# Altium PCB KlusterLab r2.0.PcbDoc (part 9 of 22)
Units mm, origin at the board's own origin, x right, y up, seen from the top; angles counter-clockwise.
Board outline 232 x 250 mm, 12 copper layers (L1 Top, L2 Inner1 (GND), L3 Inner2 (Sig), L4 Inner3 (GND), L5 Inner4 (PWR), L6 Inner5 (PWR), L7 Inner6 (PWR), L8 Inner7 (PWR), L9 Inner8 (GND), L10 Inner9 (Sig), L11 Inner10 (GND), L12 Bottom), stack 1.614 mm thick; 1169 components, 852 nets, 4679 pads, 5115 vias.
Unrouted connection lines stored in the file: 1.
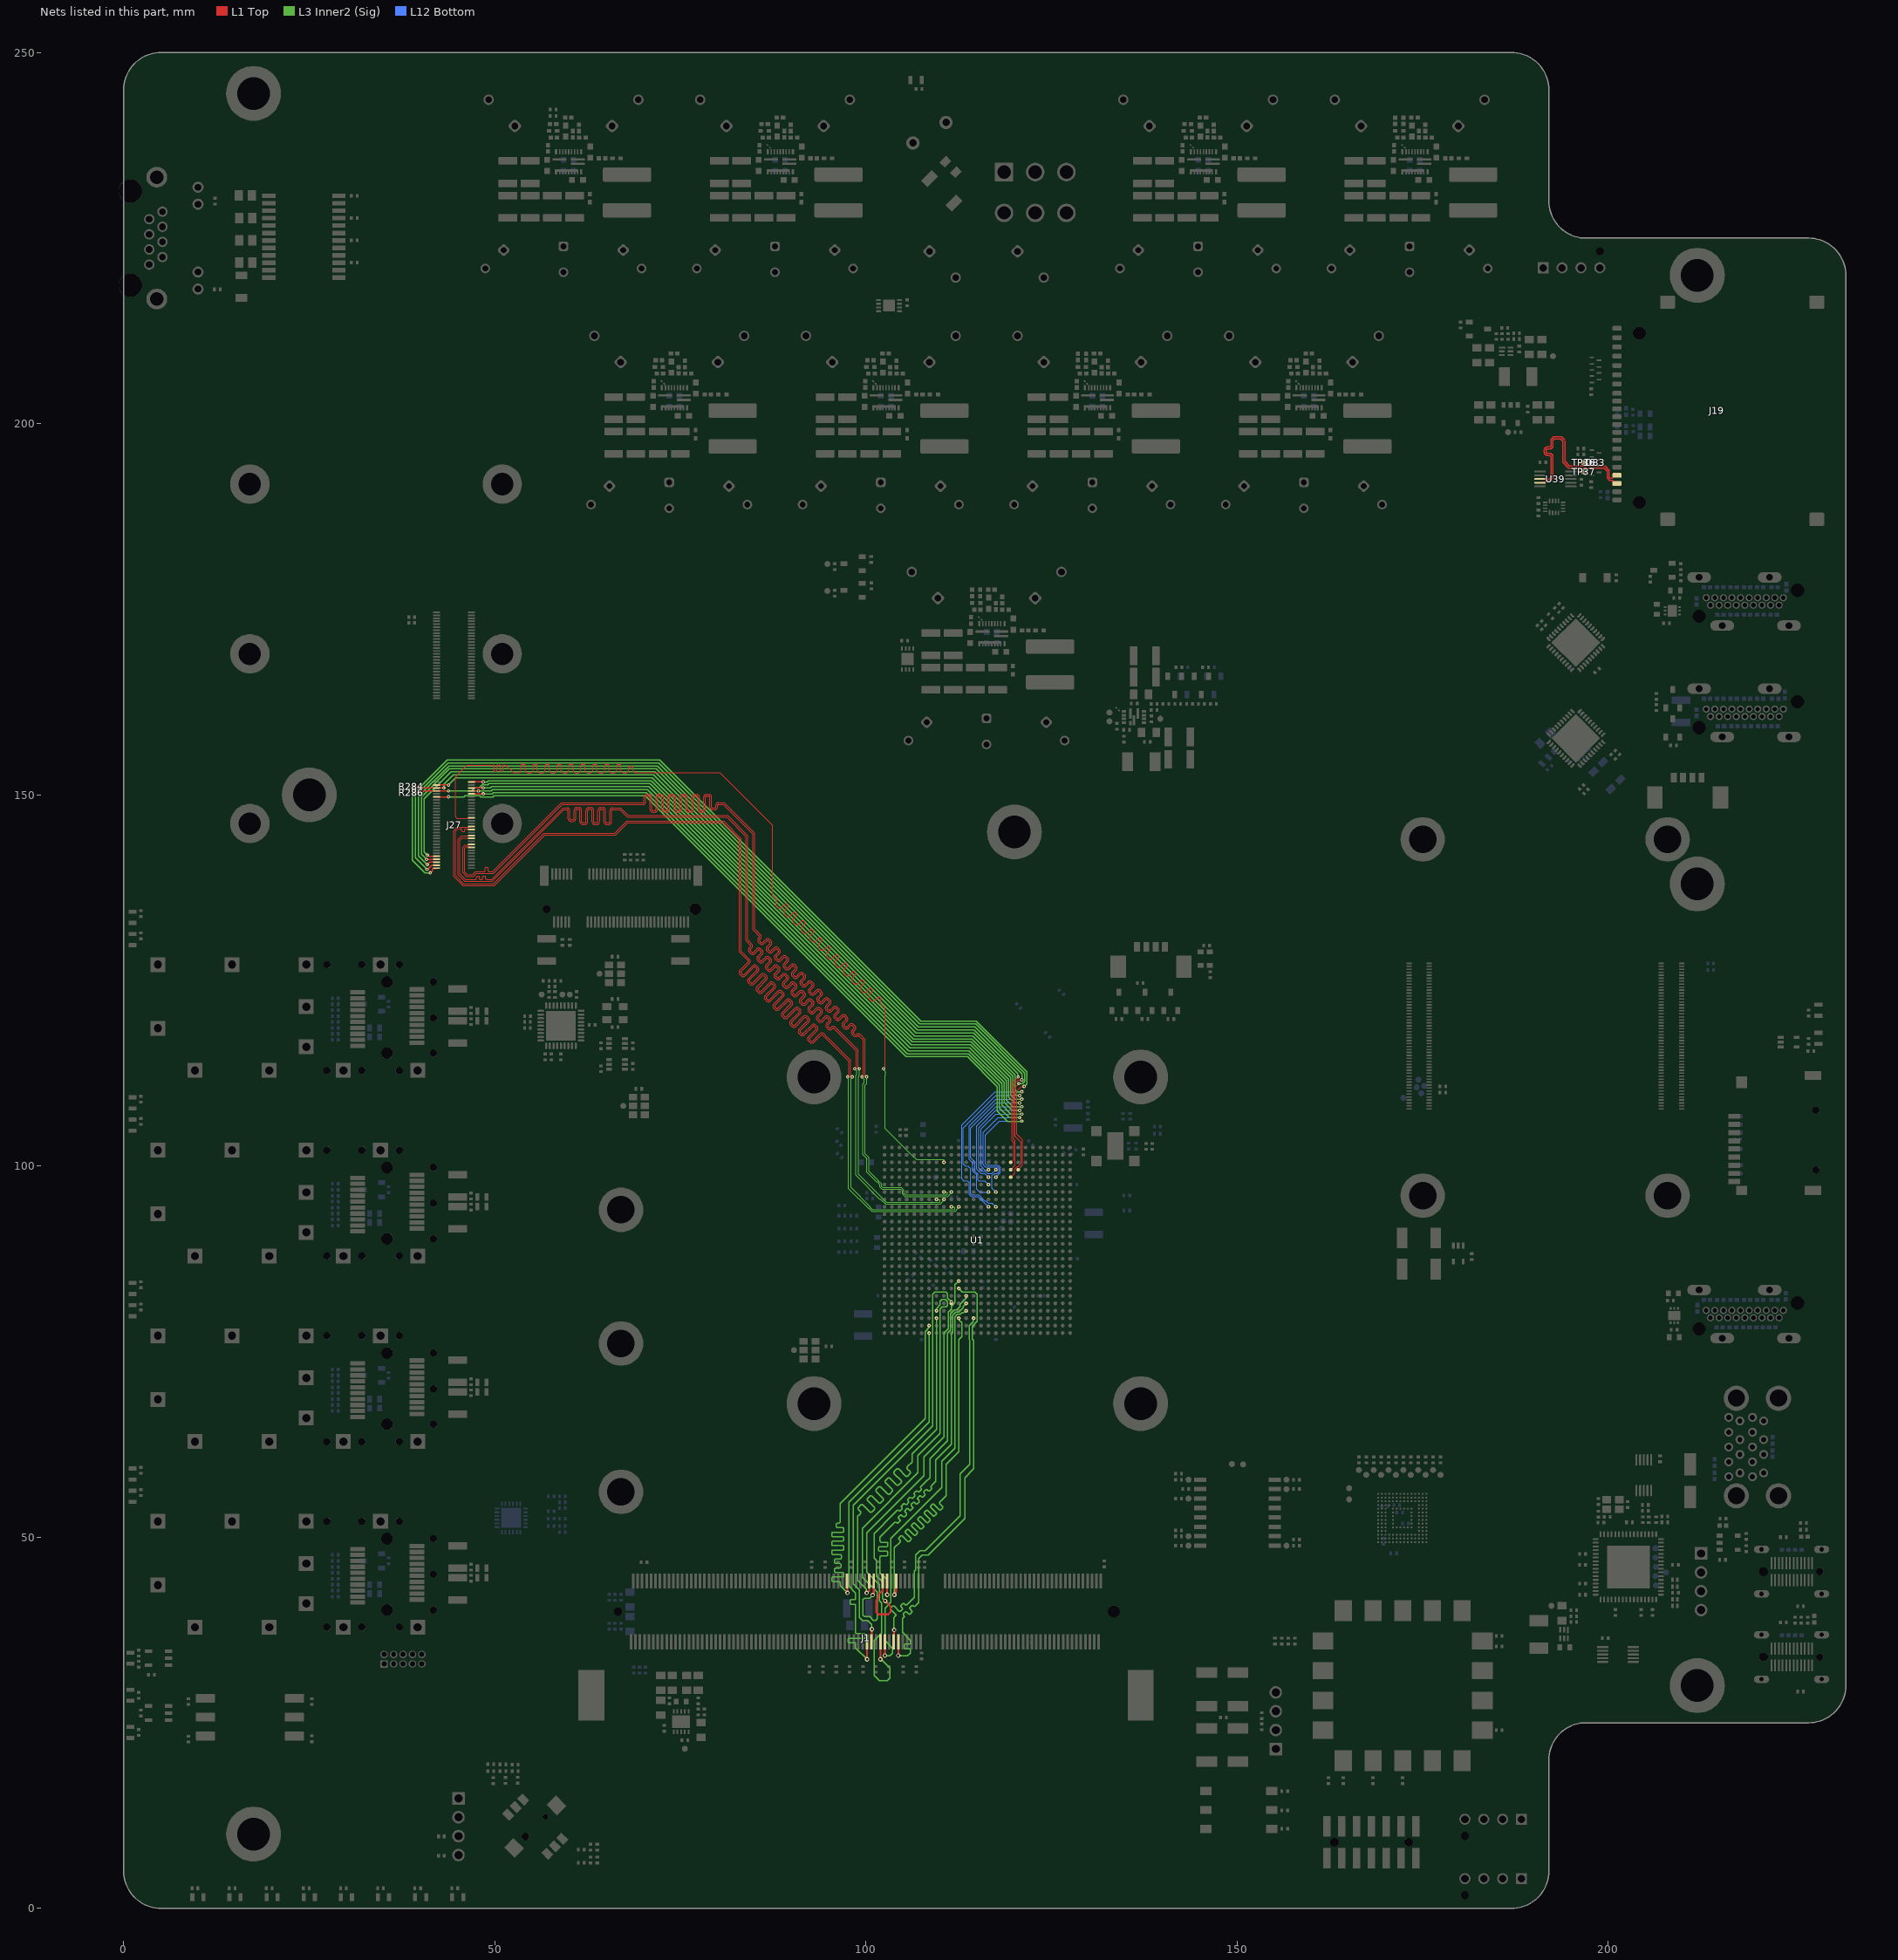
[diagram p19: the nets of this part, all layers, seen from the top]

## Via types
v1: diameter 0.45, hole 0.2, L1 Top to L12 Bottom, tented both sides, 4200 vias
v2: diameter 0.6, hole 0.3, L1 Top to L12 Bottom, tented both sides, 908 vias
v3: diameter 0.4, hole 0.2, L1 Top to L12 Bottom, tented both sides, 7 vias

## Nets (pads, with @x,y where several pads share a name; then routed paths per layer and width w, separated by ;. In a path a pad name is that pad's centre, name@x,y a point inside that pad or via, vN(x,y) a via of type N, cw(c..) or ccw(c..) an arc to the next point about the centre after c; other vN are vias at no path point) (continued)
CRUVI_B_8_P: J27.26 U1.C9 | length 153.7
  L1 Top w0.114: J27.26@46.835,146.93 46.777,146.872 46.382,146.872 46.36,146.85 44.902,146.85 44.7,147.052 44.7,152.437 46.257,153.995 49.275,153.995 49.746,153.995 cw(c49.746,153.87) 49.87,153.87 49.87,153.293 ccw(c49.994,153.293) 49.994,153.169 50.16,153.169 ccw(c50.16,153.293) 50.284,153.293 50.284,153.897 cw(c50.408,153.897) 50.408,154.022 50.573,154.022 cw(c50.573,153.897) 50.697,153.897 50.697,153.327 ccw(c50.822,153.327) 50.822,153.203 50.987,153.203 ccw(c50.987,153.327) 51.111,153.327 51.111,153.87 cw(c51.235,153.87) 51.235,153.995 51.491,153.995 51.538,153.947 52.502,152.984 52.986,152.984 53.164,152.984 ccw(c53.164,153.366) 53.545,153.366 53.545,153.96 cw(c53.686,153.96) 53.686,154.101 53.968,154.101 cw(c53.968,153.96) 54.109,153.96 54.109,153.336 ccw(c54.491,153.336) 54.491,152.955 54.773,152.955 ccw(c54.773,153.336) 55.155,153.336 55.155,153.96 cw(c55.295,153.96) 55.295,154.101 55.577,154.101 cw(c55.577,153.96) 55.718,153.96 55.718,153.336 ccw(c56.1,153.336) 56.1,152.955 56.382,152.955 ccw(c56.382,153.336) 56.764,153.336 56.764,153.96 cw(c56.905,153.96) 56.905,154.101 57.187,154.101 cw(c57.187,153.96) 57.328,153.96 57.328,153.336 ccw(c57.709,153.336) 57.709,152.955 57.991,152.955 ccw(c57.991,153.336) 58.373,153.336 58.373,153.96 cw(c58.514,153.96) 58.514,154.101 58.796,154.101 cw(c58.796,153.96) 58.937,153.96 58.937,153.336 ccw(c59.318,153.336) 59.318,152.955 59.6,152.955 ccw(c59.6,153.336) 59.982,153.336 59.982,153.96 cw(c60.123,153.96) 60.123,154.101 60.405,154.101 cw(c60.405,153.96) 60.546,153.96 60.546,153.336 ccw(c60.928,153.336) 60.928,152.955 61.21,152.955 ccw(c61.21,153.336) 61.591,153.336 61.591,153.96 cw(c61.732,153.96) 61.732,154.101 62.014,154.101 cw(c62.014,153.96) 62.155,153.96 62.155,153.336 ccw(c62.537,153.336) 62.537,152.955 62.819,152.955 ccw(c62.819,153.336) 63.2,153.336 63.2,153.96 cw(c63.341,153.96) 63.341,154.101 63.623,154.101 cw(c63.623,153.96) 63.764,153.96 63.764,153.336 ccw(c64.146,153.336) 64.146,152.955 64.428,152.955 ccw(c64.428,153.336) 64.81,153.336 64.81,153.96 cw(c64.951,153.96) 64.951,154.101 65.233,154.101 cw(c65.233,153.96) 65.373,153.96 65.373,153.336 ccw(c65.755,153.336) 65.755,152.955 66.037,152.955 ccw(c66.037,153.336) 66.419,153.336 66.419,153.96 cw(c66.56,153.96) 66.56,154.101 66.842,154.101 cw(c66.842,153.96) 66.983,153.96 66.983,153.336 ccw(c67.364,153.336) 67.364,152.955 67.646,152.955 ccw(c67.646,153.336) 68.028,153.336 68.028,153.704 cw(c68.169,153.704) 68.169,153.845 68.451,153.845 cw(c68.451,153.704) 68.592,153.704 68.592,153.366 ccw(c68.974,153.366) 68.974,152.984 69.951,152.984 80.33,152.984 87.4,145.914 87.4,137.015 87.4,136.401 87.972,135.829 cw(c87.872,135.729) 87.972,135.63 87.929,135.587 ccw(c88.199,135.317) 87.929,135.047 88.129,134.848 ccw(c88.398,135.118) 88.668,134.848 ; 88.669,134.848 89.092,135.271 cw(c89.191,135.171) 89.291,135.271 89.49,135.072 ; 89.49,135.072 cw(c89.391,134.972) 89.491,134.873 89.067,134.449 ccw(c89.337,134.179) 89.067,133.909 89.266,133.71 ccw(c89.536,133.98) 89.806,133.71 ; 89.807,133.71 90.229,134.133 cw(c90.329,134.034) 90.429,134.133 90.627,133.935 ; 90.628,133.934 cw(c90.529,133.834) 90.629,133.735 90.205,133.311 ccw(c90.475,133.041) 90.205,132.771 90.404,132.572 ccw(c90.674,132.842) 90.944,132.572 91.367,132.995 cw(c91.467,132.896) 91.567,132.995 91.765,132.797 cw(c91.666,132.696) 91.767,132.597 91.343,132.173 ccw(c91.613,131.904) 91.343,131.634 91.542,131.434 ccw(c91.812,131.704) 92.082,131.434 92.505,131.857 cw(c92.605,131.758) 92.705,131.857 ; 92.705,131.857 92.903,131.659 cw(c92.804,131.558) 92.904,131.459 92.481,131.036 ccw(c92.751,130.766) 92.481,130.496 92.68,130.296 ccw(c92.95,130.566) 93.22,130.296 93.643,130.72 cw(c93.743,130.62) 93.843,130.719 ; 93.843,130.719 94.041,130.521 cw(c93.942,130.421) 94.042,130.321 93.619,129.898 ccw(c93.888,129.628) 93.619,129.358 93.818,129.159 ccw(c94.088,129.428) 94.358,129.159 ; 94.358,129.159 94.781,129.582 cw(c94.881,129.482) 94.981,129.581 ; 94.981,129.581 95.179,129.383 ; 95.179,129.383 cw(c95.08,129.283) 95.18,129.184 94.756,128.76 ccw(c95.026,128.49) 94.756,128.22 94.956,128.021 ccw(c95.226,128.291) 95.496,128.021 ; 95.496,128.021 95.919,128.444 cw(c96.018,128.344) 96.119,128.444 ; 96.119,128.443 96.317,128.245 ; 96.317,128.245 cw(c96.218,128.145) 96.318,128.046 95.894,127.622 ccw(c96.164,127.352) 95.894,127.082 96.094,126.883 ccw(c96.364,127.153) 96.633,126.883 ; 96.634,126.883 97.057,127.306 cw(c97.156,127.206) 97.256,127.306 ; 97.257,127.305 97.455,127.107 ; 97.455,127.107 cw(c97.356,127.007) 97.456,126.908 97.032,126.484 ccw(c97.302,126.214) 97.032,125.944 97.231,125.745 ccw(c97.501,126.015) 97.771,125.745 ; 97.772,125.745 98.195,126.168 cw(c98.294,126.068) 98.394,126.168 98.593,125.97 ; 98.593,125.969 cw(c98.494,125.869) 98.594,125.77 98.17,125.346 ccw(c98.44,125.076) 98.17,124.806 98.369,124.607 ccw(c98.639,124.877) 98.909,124.607 ; 98.91,124.608 99.333,125.031 cw(c99.432,124.931) 99.532,125.03 99.731,124.831 cw(c99.631,124.731) 99.731,124.632 99.308,124.209 ; 99.308,124.208 ccw(c99.578,123.938) 99.308,123.669 99.507,123.469 ccw(c99.777,123.739) 100.047,123.469 100.471,123.893 cw(c100.57,123.793) 100.67,123.892 100.868,123.694 ; 100.446,123.071 ccw(c100.716,122.801) 100.446,122.531 100.645,122.331 ccw(c100.915,122.601) 101.185,122.331 101.609,122.755 cw(c101.708,122.655) 101.808,122.754 102.006,122.556 cw(c101.907,122.456) 102.007,122.356 101.996,122.345 ccw(c102.266,122.075) 101.996,121.805 102.553,121.248 102.553,120.725 v1@102.553,113.075 ; 100.446,123.071 100.869,123.494 ccw(c100.769,123.593) 100.869,123.693
  L3 Inner2 (Sig) w0.1: v1(102.382,113.1) 102.382,113.005 102.517,112.87 102.517,112.795 102.657,112.655 102.657,112.301 102.577,112.221 102.577,105.056 106.475,101.159 106.541,101.159 106.738,100.963 106.8,100.9 110.441,100.9 110.5,100.841 v1(110.5,100.5)
CRUVI_B_9_N: J27.34 U1.J10 | length 155.8
  L1 Top w0.114: J27.34@46.835,145.33 46.777,145.388 46.383,145.388 46.36,145.411 46.303,145.411 46.079,145.411 ccw(c46.079,145.297) 45.966,145.297 45.966,145.147 cw(c45.883,145.147) 45.883,145.064 45.635,145.064 cw(c45.635,145.147) 45.552,145.147 45.552,145.297 ccw(c45.438,145.297) 45.438,145.411 45.024,145.411 45.016,145.411 44.967,145.362 44.7,145.095 44.7,139.103 45.788,138.015 49.812,138.015 56.638,144.841 66.15,144.841 67.784,146.475 80.816,146.475 83.208,144.082 83.208,128.933 83.594,128.548 83.684,128.457 84.323,127.818 84.323,127.813 cw(c84.018,127.583) 84.288,127.313 83.176,126.201 ccw(c83.275,126.101) 83.175,126.002 83.375,125.802 ccw(c83.475,125.902) 83.574,125.802 84.761,126.989 84.766,126.989 cw(c84.996,126.683) 85.265,126.953 85.465,126.754 cw(c85.195,126.484) 85.465,126.214 84.314,125.063 ccw(c84.413,124.963) 84.314,124.864 84.513,124.664 ccw(c84.613,124.764) 84.712,124.664 85.899,125.851 85.904,125.851 cw(c86.133,125.546) 86.403,125.816 86.603,125.616 cw(c86.333,125.346) 86.603,125.076 85.452,123.926 ccw(c85.551,123.825) 85.451,123.726 85.651,123.526 ccw(c85.75,123.626) 85.85,123.526 87.001,124.678 cw(c87.271,124.408) 87.541,124.678 87.741,124.478 cw(c87.471,124.208) 87.776,123.979 87.776,123.974 86.589,122.787 ccw(c86.689,122.688) 86.589,122.588 86.789,122.388 ccw(c86.888,122.488) 86.988,122.389 88.139,123.54 cw(c88.409,123.27) 88.679,123.54 88.878,123.34 ; 88.126,121.251 cw(c88.026,121.35) 87.927,121.25 87.727,121.45 cw(c87.827,121.55) 87.727,121.649 88.914,122.836 88.914,122.841 ccw(c88.608,123.071) 88.878,123.34 ; 88.126,121.251 89.277,122.402 cw(c89.547,122.132) 89.817,122.402 90.016,122.203 cw(c89.746,121.933) 90.052,121.703 90.052,121.698 88.865,120.511 ccw(c88.965,120.412) 88.865,120.312 89.065,120.112 ccw(c89.164,120.212) 89.264,120.113 ; 89.264,120.113 90.415,121.264 cw(c90.685,120.994) 90.955,121.264 91.154,121.065 cw(c90.884,120.795) 91.189,120.565 91.189,120.56 90.003,119.374 ccw(c90.103,119.274) 90.003,119.175 90.203,118.975 ccw(c90.302,119.075) 90.402,118.975 ; 90.402,118.975 91.553,120.126 cw(c91.823,119.856) 92.093,120.126 92.292,119.927 cw(c92.022,119.657) 92.327,119.428 92.327,119.422 91.141,118.236 ccw(c91.24,118.136) 91.14,118.037 91.341,117.837 ccw(c91.44,117.937) 91.539,117.837 ; 91.54,117.838 92.691,118.988 cw(c92.961,118.718) 93.231,118.988 93.43,118.789 cw(c93.16,118.519) 93.465,118.29 93.465,118.284 92.407,117.227 ccw(c92.507,117.127) 92.407,117.028 92.607,116.828 ccw(c92.706,116.928) 92.806,116.828 93.79,117.812 cw(c94.06,117.542) 94.289,117.847 94.294,117.847 94.732,117.409 94.822,117.319 97.941,114.201 v1@97.941,112
  L3 Inner2 (Sig) w0.1: v1(98.129,112) 98.129,111.905 97.994,111.77 97.994,97.106 100.541,94.559 100.541,94.459 100.9,94.1 111.941,94.1 112,94.159 112,94.441 111.941,94.5 v1(111.5,94.5)
CRUVI_B_9_P: J27.32 U1.J11 | length 156.1
  L1 Top w0.114: J27.32@46.835,145.73 46.777,145.672 46.38,145.672 46.36,145.652 45.782,145.652 44.916,145.652 44.459,145.195 44.459,139.003 45.689,137.774 49.911,137.774 56.738,144.6 66.25,144.6 67.884,146.234 80.716,146.234 82.968,143.982 82.968,128.833 83.424,128.377 83.514,128.287 84.117,127.684 cw(c84.018,127.583) 84.118,127.484 82.97,126.336 82.97,126.33 ccw(c83.275,126.101) 83.006,125.831 83.204,125.633 ccw(c83.475,125.902) 83.745,125.632 84.895,126.783 cw(c84.996,126.683) 85.095,126.783 85.295,126.584 cw(c85.195,126.484) 85.295,126.384 84.108,125.198 84.108,125.193 ccw(c84.413,124.963) 84.143,124.693 84.343,124.494 ccw(c84.613,124.764) 84.883,124.494 86.033,125.645 cw(c86.133,125.546) 86.233,125.645 86.432,125.446 cw(c86.333,125.346) 86.432,125.247 85.246,124.06 85.246,124.055 ccw(c85.551,123.825) 85.282,123.555 85.48,123.357 ccw(c85.75,123.626) 85.98,123.321 85.985,123.321 87.172,124.507 cw(c87.271,124.408) 87.371,124.507 87.57,124.308 cw(c87.471,124.208) 87.57,124.109 86.419,122.957 ccw(c86.689,122.688) 86.42,122.417 86.618,122.219 ccw(c86.888,122.488) 87.118,122.183 87.123,122.183 88.309,123.37 cw(c88.409,123.27) 88.509,123.37 88.708,123.17 cw(c88.608,123.071) 88.708,122.971 87.557,121.82 ccw(c87.827,121.55) 87.558,121.279 87.756,121.081 ccw(c88.026,121.35) 88.256,121.045 88.261,121.045 89.447,122.232 cw(c89.547,122.132) 89.647,122.232 89.846,122.032 cw(c89.746,121.933) 89.846,121.833 ; 88.893,119.943 ccw(c89.164,120.212) 89.393,119.907 89.399,119.907 90.585,121.094 cw(c90.685,120.994) 90.785,121.094 90.984,120.894 cw(c90.884,120.795) 90.984,120.695 ; 88.893,119.943 88.695,120.141 cw(c88.965,120.412) 88.695,120.682 89.846,121.832 ; 90.971,117.865 91.169,117.667 ccw(c91.44,117.937) 91.669,117.632 91.674,117.632 92.861,118.818 cw(c92.961,118.718) 93.06,118.818 93.26,118.619 cw(c93.16,118.519) 93.26,118.419 ; 90.971,117.865 cw(c91.24,118.136) 90.971,118.406 92.121,119.557 ; 90.983,120.695 89.833,119.544 ccw(c90.103,119.274) 89.833,119.003 90.031,118.805 ccw(c90.302,119.075) 90.531,118.769 90.537,118.769 91.723,119.956 cw(c91.823,119.856) 91.922,119.956 92.122,119.757 cw(c92.022,119.657) 92.122,119.557 ; 93.259,118.419 92.237,117.397 ccw(c92.507,117.127) 92.238,116.856 92.436,116.658 ccw(c92.706,116.928) 92.976,116.658 93.96,117.641 cw(c94.06,117.542) 94.16,117.641 94.562,117.239 94.652,117.149 97.7,114.101 v1@97.7,112
  L3 Inner2 (Sig) w0.1: v1(97.529,112) 97.529,111.905 97.664,111.77 97.664,96.969 100.316,94.317 100.4,94.317 100.817,93.9 112.024,93.9 112.397,94.273 112.397,94.302 112.5,94.405 v1(112.5,94.5)
CRUVI_B_10_N: J27.40 U1.H8 | length 149
  L1 Top w0.114: J27.40@46.835,144.13 46.777,144.188 46.382,144.188 46.36,144.21 45.6,144.21 45.3,143.91 45.3,139.351 46.037,138.615 47.076,138.615 47.433,138.615 ccw(c47.433,138.728) 47.546,138.728 47.546,138.924 cw(c47.629,138.924) 47.629,139.007 47.878,139.007 cw(c47.878,138.924) 47.96,138.924 47.96,138.67 ccw(c48.043,138.67) 48.043,138.588 48.291,138.588 ccw(c48.291,138.67) 48.374,138.67 48.374,138.954 cw(c48.457,138.954) 48.457,139.036 48.705,139.036 cw(c48.705,138.954) 48.788,138.954 48.788,138.728 ccw(c48.902,138.728) 48.902,138.615 49.372,138.615 49.563,138.615 59.199,148.25 59.218,148.25 59.72,148.25 cw(c59.72,147.868) 60.101,147.868 60.101,146.82 ccw(c60.242,146.82) 60.242,146.679 60.524,146.679 ccw(c60.524,146.82) 60.665,146.82 60.665,147.909 cw(c61.047,147.909) 61.047,148.291 61.329,148.291 cw(c61.329,147.909) 61.711,147.909 61.711,146.387 ccw(c61.852,146.387) 61.852,146.246 62.133,146.246 ccw(c62.133,146.387) 62.274,146.387 62.274,147.909 cw(c62.656,147.909) 62.656,148.291 62.938,148.291 cw(c62.938,147.909) 63.32,147.909 63.32,146.387 ccw(c63.461,146.387) 63.461,146.246 63.743,146.246 ccw(c63.743,146.387) 63.884,146.387 63.884,147.909 cw(c64.265,147.909) 64.265,148.291 64.547,148.291 cw(c64.547,147.909) 64.929,147.909 64.929,146.387 ccw(c65.07,146.387) 65.07,146.246 65.352,146.246 ccw(c65.352,146.387) 65.493,146.387 65.493,147.868 cw(c65.875,147.868) 65.875,148.25 66.052,148.25 66.941,148.25 67.966,147.225 81.338,147.225 84.081,144.482 84.081,144.282 84.077,144.278 84.077,130.784 84.077,130.56 84.079,130.558 84.079,130.465 84.618,129.927 ; 84.618,129.926 84.653,129.891 84.653,129.885 cw(c84.345,129.654) 84.618,129.381 84.431,129.194 ccw(c84.53,129.094) 84.431,128.995 84.63,128.795 ccw(c84.73,128.895) 84.829,128.795 85.286,129.252 cw(c85.559,128.98) 85.791,129.288 85.796,129.288 85.832,129.253 86.031,129.053 ; 86.032,129.053 86.067,129.017 86.067,129.012 cw(c85.758,128.78) 86.031,128.507 85.574,128.05 ccw(c85.674,127.951) 85.574,127.851 85.774,127.652 ccw(c85.873,127.751) 85.972,127.651 86.43,128.109 cw(c86.703,127.836) 86.934,128.145 86.94,128.145 86.975,128.109 87.175,127.909 87.211,127.873 87.211,127.868 cw(c86.902,127.636) 87.175,127.364 ; 87.174,127.363 86.718,126.907 ccw(c86.818,126.807) 86.718,126.707 86.917,126.508 ccw(c87.017,126.608) 87.116,126.507 87.574,126.965 cw(c87.846,126.692) 88.078,127.001 88.083,127.001 88.119,126.965 ; 88.119,126.965 88.319,126.766 ; 88.318,126.219 87.862,125.763 ccw(c87.961,125.663) 87.862,125.564 88.061,125.364 ccw(c88.161,125.464) 88.26,125.364 88.717,125.821 cw(c88.99,125.548) 89.222,125.857 89.227,125.857 89.263,125.822 89.462,125.622 89.498,125.586 89.498,125.581 cw(c89.19,125.349) 89.462,125.076 ; 88.319,126.22 ccw(c88.046,126.493) 88.355,126.724 88.355,126.73 88.319,126.765 ; 89.462,125.076 89.005,124.619 ccw(c89.105,124.52) 89.005,124.42 89.205,124.221 ccw(c89.304,124.32) 89.404,124.221 89.861,124.677 ; 89.861,124.678 cw(c90.134,124.405) 90.365,124.713 90.371,124.713 90.406,124.678 ; 90.407,124.678 90.606,124.478 ; 90.606,124.478 90.642,124.442 90.642,124.437 cw(c90.333,124.205) 90.606,123.932 90.148,123.475 ccw(c90.249,123.376) 90.149,123.276 90.348,123.077 ccw(c90.448,123.176) 90.548,123.077 91.004,123.533 ; 91.005,123.534 cw(c91.278,123.261) 91.509,123.57 91.515,123.57 91.55,123.534 91.75,123.334 91.786,123.299 91.786,123.293 cw(c91.477,123.062) 91.75,122.789 91.292,122.331 ccw(c91.392,122.232) 91.293,122.132 91.492,121.933 ccw(c91.592,122.033) 91.691,121.933 92.148,122.39 cw(c92.421,122.117) 92.653,122.426 92.658,122.426 92.694,122.39 ; 92.694,122.39 92.894,122.191 92.929,122.155 92.929,122.149 cw(c92.621,121.918) 92.894,121.645 92.436,121.187 ccw(c92.536,121.088) 92.437,120.989 92.636,120.789 ccw(c92.736,120.889) 92.835,120.789 93.292,121.246 ; 93.292,121.246 cw(c93.565,120.974) 93.797,121.282 93.802,121.282 93.838,121.247 94.037,121.047 ; 94.038,121.047 94.073,121.011 94.073,121.006 cw(c93.764,120.774) 94.037,120.501 93.58,120.044 ccw(c93.68,119.945) 93.58,119.845 93.78,119.646 ccw(c93.879,119.745) 93.979,119.646 94.435,120.102 cw(c94.709,119.83) 94.94,120.139 94.946,120.139 94.981,120.103 95.181,119.903 95.217,119.867 95.217,119.862 cw(c94.908,119.63) 95.181,119.358 94.854,119.03 ccw(c94.953,118.93) 94.853,118.831 95.053,118.631 ccw(c95.152,118.731) 95.252,118.631 95.31,118.689 cw(c95.583,118.416) 95.814,118.725 95.82,118.725 95.855,118.689 ; 95.855,118.689 98.849,115.695 98.849,115.692 98.911,115.63 98.911,115.576 v1@98.911,113.1
  L3 Inner2 (Sig) w0.1: v1(99.1,113.1) 99.105,113.095 99.105,112.208 98.965,112.068 98.965,98.902 102.1,95.767 102.1,95.7 102.7,95.1 109.941,95.1 110,95.159 110,95.441 109.941,95.5 v1(109.5,95.5)
CRUVI_B_10_P: J27.38 U1.H9 | length 148.5
  L1 Top w0.114: J27.38@46.835,144.53 46.777,144.472 46.382,144.472 46.36,144.45 45.5,144.45 45.059,144.01 45.059,139.252 45.937,138.374 49.663,138.374 59.218,147.929 59.298,148.009 59.72,148.009 cw(c59.72,147.868) 59.861,147.868 59.861,146.82 ccw(c60.242,146.82) 60.242,146.438 60.524,146.438 ccw(c60.524,146.82) 60.906,146.82 60.906,147.909 cw(c61.047,147.909) 61.047,148.05 61.329,148.05 cw(c61.329,147.909) 61.47,147.909 61.47,146.387 ccw(c61.852,146.387) 61.852,146.005 62.133,146.005 ccw(c62.133,146.387) 62.515,146.387 62.515,147.909 cw(c62.656,147.909) 62.656,148.05 62.938,148.05 cw(c62.938,147.909) 63.079,147.909 63.079,146.387 ccw(c63.461,146.387) 63.461,146.005 63.743,146.005 ccw(c63.743,146.387) 64.124,146.387 64.124,147.909 cw(c64.265,147.909) 64.265,148.05 64.547,148.05 cw(c64.547,147.909) 64.688,147.909 64.688,146.387 ccw(c65.07,146.387) 65.07,146.005 65.352,146.005 ccw(c65.352,146.387) 65.734,146.387 65.734,147.868 cw(c65.875,147.868) 65.875,148.009 66.052,148.009 66.841,148.009 67.866,146.984 81.239,146.984 83.841,144.382 83.837,144.378 83.837,133.703 83.832,133.699 83.832,130.539 83.832,130.458 83.835,130.456 83.835,130.363 84.444,129.754 cw(c84.345,129.654) 84.444,129.554 84.257,129.367 ccw(c84.53,129.094) 84.257,128.822 84.457,128.622 ccw(c84.73,128.895) 85.002,128.622 ; 85.003,128.623 85.459,129.079 cw(c85.559,128.98) 85.659,129.079 85.857,128.881 cw(c85.758,128.78) 85.859,128.681 85.401,128.224 ccw(c85.674,127.951) 85.401,127.678 85.6,127.478 ccw(c85.873,127.751) 86.146,127.478 86.603,127.935 cw(c86.703,127.836) 86.803,127.935 87.001,127.737 cw(c86.902,127.636) 87.002,127.537 86.545,127.08 ccw(c86.818,126.807) 86.545,126.534 86.744,126.335 ccw(c87.017,126.608) 87.29,126.335 ; 87.29,126.335 87.747,126.792 cw(c87.846,126.692) 87.947,126.791 ; 87.947,126.791 88.145,126.593 ; 88.145,126.593 cw(c88.046,126.493) 88.146,126.394 87.688,125.936 ccw(c87.961,125.663) 87.688,125.39 87.888,125.191 ccw(c88.161,125.464) 88.434,125.191 88.891,125.648 cw(c88.99,125.548) 89.09,125.648 89.289,125.449 cw(c89.19,125.349) 89.29,125.25 88.833,124.793 ccw(c89.105,124.52) 88.832,124.247 89.032,124.047 ccw(c89.304,124.32) 89.577,124.047 90.035,124.505 cw(c90.134,124.405) 90.234,124.504 ; 89.976,123.649 ccw(c90.249,123.376) 89.976,123.103 90.175,122.904 ccw(c90.448,123.176) 90.721,122.904 91.179,123.361 cw(c91.278,123.261) 91.378,123.36 91.576,123.162 cw(c91.477,123.062) 91.577,122.962 91.12,122.505 ccw(c91.392,122.232) 91.12,121.959 91.319,121.76 ccw(c91.592,122.033) 91.865,121.76 92.322,122.218 cw(c92.421,122.117) 92.521,122.216 92.72,122.018 cw(c92.621,121.918) 92.72,121.818 92.264,121.362 ; 89.976,123.649 90.433,124.106 ccw(c90.333,124.205) 90.432,124.305 ; 90.234,124.504 90.432,124.306 ; 92.263,121.361 ccw(c92.536,121.088) 92.263,120.816 92.463,120.616 ccw(c92.736,120.889) 93.008,120.616 93.466,121.074 cw(c93.565,120.974) 93.665,121.073 93.863,120.875 cw(c93.764,120.774) 93.864,120.675 93.408,120.218 ; 93.407,120.218 ccw(c93.68,119.945) 93.407,119.672 93.606,119.472 ccw(c93.879,119.745) 94.152,119.472 94.61,119.93 cw(c94.709,119.83) 94.809,119.929 95.007,119.731 cw(c94.908,119.63) 95.008,119.531 94.68,119.203 ccw(c94.953,118.93) 94.68,118.657 94.879,118.458 ccw(c95.152,118.731) 95.425,118.458 95.483,118.516 cw(c95.583,118.416) 95.683,118.515 98.671,115.527 98.671,115.335 v1@98.671,113.1
  L3 Inner2 (Sig) w0.1: v1(98.5,113.1) 98.775,112.825 98.775,112.345 98.635,112.205 98.635,98.765 101.841,95.559 101.959,95.559 102.617,94.9 109.883,94.9 110.024,94.9 110.397,95.273 110.397,95.302 110.5,95.405 v1(110.5,95.5)
CRUVI_B_11_N: J27.46 U1.G9 | length 157.3
  L1 Top w0.114: J27.46@46.835,142.93 46.777,142.988 46.382,142.988 46.36,143.01 46.1,143.01 45.935,142.845 45.935,139.615 46.3,139.25 46.991,139.25 47.393,139.652 48.075,139.652 48.557,139.652 ccw(c48.557,139.776) 48.681,139.776 48.681,140.105 cw(c48.805,140.105) 48.805,140.23 48.971,140.23 cw(c48.971,140.105) 49.095,140.105 49.095,139.776 ccw(c49.219,139.776) 49.219,139.652 49.69,139.652 49.702,139.652 59.007,148.957 69.785,148.957 69.962,148.957 ccw(c69.962,149.098) 70.103,149.098 70.103,149.688 cw(c70.485,149.688) 70.485,150.07 70.767,150.07 cw(c70.767,149.688) 71.148,149.688 71.148,148.047 ccw(c71.289,148.047) 71.289,147.906 71.571,147.906 ccw(c71.571,148.047) 71.712,148.047 71.712,149.688 cw(c72.094,149.688) 72.094,150.07 72.376,150.07 cw(c72.376,149.688) 72.758,149.688 72.758,148.047 ccw(c72.899,148.047) 72.899,147.906 73.18,147.906 ccw(c73.18,148.047) 73.321,148.047 73.321,149.688 cw(c73.703,149.688) 73.703,150.07 73.985,150.07 cw(c73.985,149.688) 74.367,149.688 74.367,148.047 ccw(c74.508,148.047) 74.508,147.906 74.79,147.906 ccw(c74.79,148.047) 74.931,148.047 74.931,149.688 cw(c75.312,149.688) 75.312,150.07 75.594,150.07 cw(c75.594,149.688) 75.976,149.688 75.976,148.047 ccw(c76.117,148.047) 76.117,147.906 76.399,147.906 ccw(c76.399,148.047) 76.54,148.047 76.54,149.688 cw(c76.921,149.688) 76.921,150.07 77.203,150.07 cw(c77.203,149.688) 77.585,149.688 77.585,148.047 ccw(c77.726,148.047) 77.726,147.906 78.008,147.906 ccw(c78.008,148.047) 78.149,148.047 78.149,149.688 cw(c78.531,149.688) 78.531,150.07 78.813,150.07 cw(c78.813,149.688) 79.194,149.688 79.194,148.36 ccw(c79.335,148.36) 79.335,148.219 79.617,148.219 ccw(c79.617,148.36) 79.758,148.36 79.758,148.575 cw(c80.14,148.575) 80.14,148.957 80.676,148.957 80.88,148.957 85,144.836 85,131.941 85.089,131.853 85.179,131.763 85.783,131.159 cw(c85.513,130.889) 85.783,130.619 85.674,130.51 ccw(c85.773,130.41) 85.674,130.31 85.873,130.111 ccw(c85.973,130.211) 86.072,130.11 86.475,130.514 cw(c86.745,130.244) 86.974,130.549 86.98,130.549 87.249,130.279 87.249,130.274 cw(c86.944,130.044) 87.214,129.774 ; 87.214,129.774 86.812,129.372 ccw(c86.911,129.272) 86.812,129.172 87.011,128.973 ccw(c87.111,129.073) 87.21,128.973 87.613,129.376 cw(c87.883,129.106) 88.112,129.411 88.117,129.411 88.387,129.141 88.387,129.136 cw(c88.082,128.906) 88.352,128.636 ; 88.352,128.636 87.949,128.234 ccw(c88.049,128.134) 87.949,128.035 88.149,127.835 ccw(c88.248,127.935) 88.348,127.835 88.751,128.238 cw(c89.021,127.968) 89.25,128.273 89.255,128.273 89.525,128.003 89.525,127.998 cw(c89.22,127.769) 89.49,127.499 ; 89.489,127.498 89.087,127.096 ccw(c89.187,126.996) 89.087,126.897 89.287,126.697 ccw(c89.386,126.797) 89.485,126.697 89.889,127.1 cw(c90.159,126.83) 90.388,127.135 90.393,127.135 90.663,126.865 90.663,126.86 cw(c90.358,126.631) 90.628,126.361 ; 90.627,126.36 90.225,125.958 ccw(c90.325,125.858) 90.225,125.759 90.424,125.559 ccw(c90.524,125.659) 90.623,125.559 91.026,125.962 cw(c91.296,125.692) 91.526,125.997 91.531,125.997 91.801,125.727 91.801,125.722 cw(c91.496,125.493) 91.766,125.223 ; 91.765,125.222 91.363,124.82 ccw(c91.463,124.721) 91.363,124.621 91.562,124.422 ccw(c91.662,124.521) 91.762,124.422 92.164,124.824 ; 92.164,124.824 cw(c92.434,124.554) 92.664,124.859 92.669,124.859 92.939,124.59 92.939,124.584 cw(c92.634,124.355) 92.904,124.085 92.5,123.682 ccw(c92.601,123.583) 92.501,123.483 92.7,123.284 ccw(c92.8,123.383) 92.9,123.284 93.302,123.686 ; 93.302,123.686 cw(c93.572,123.416) 93.801,123.722 93.807,123.722 94.077,123.452 94.077,123.446 cw(c93.771,123.217) 94.041,122.947 93.638,122.544 ccw(c93.738,122.445) 93.639,122.345 93.838,122.146 ccw(c93.938,122.246) 94.037,122.146 94.44,122.548 cw(c94.71,122.279) 94.939,122.584 94.945,122.584 95.215,122.314 95.215,122.309 cw(c94.909,122.079) 95.179,121.809 94.776,121.406 ccw(c94.876,121.307) 94.777,121.207 94.976,121.008 ccw(c95.076,121.108) 95.175,121.008 95.577,121.41 cw(c95.848,121.141) 96.077,121.446 96.083,121.446 96.352,121.176 96.352,121.171 cw(c96.047,120.941) 96.317,120.671 95.914,120.268 ccw(c96.014,120.169) 95.914,120.069 96.114,119.87 ccw(c96.213,119.97) 96.313,119.87 96.715,120.272 cw(c96.986,120.003) 97.215,120.308 97.22,120.308 97.49,120.038 97.49,120.033 cw(c97.185,119.803) 97.455,119.534 97.052,119.13 ccw(c97.152,119.031) 97.052,118.932 97.252,118.732 ccw(c97.351,118.832) 97.451,118.732 97.78,119.062 cw(c98.05,118.792) 98.28,119.097 98.285,119.097 98.555,118.827 98.555,118.822 cw(c98.25,118.592) 98.52,118.322 98.299,118.102 ccw(c98.399,118.003) 98.299,117.903 98.499,117.704 ccw(c98.598,117.803) 98.698,117.704 cw(c98.968,117.434) 99.197,117.739 99.203,117.739 99.882,117.06 99.882,116.723 v1@99.882,112